# KiCad board latentpink.kicad_pcb (continued)
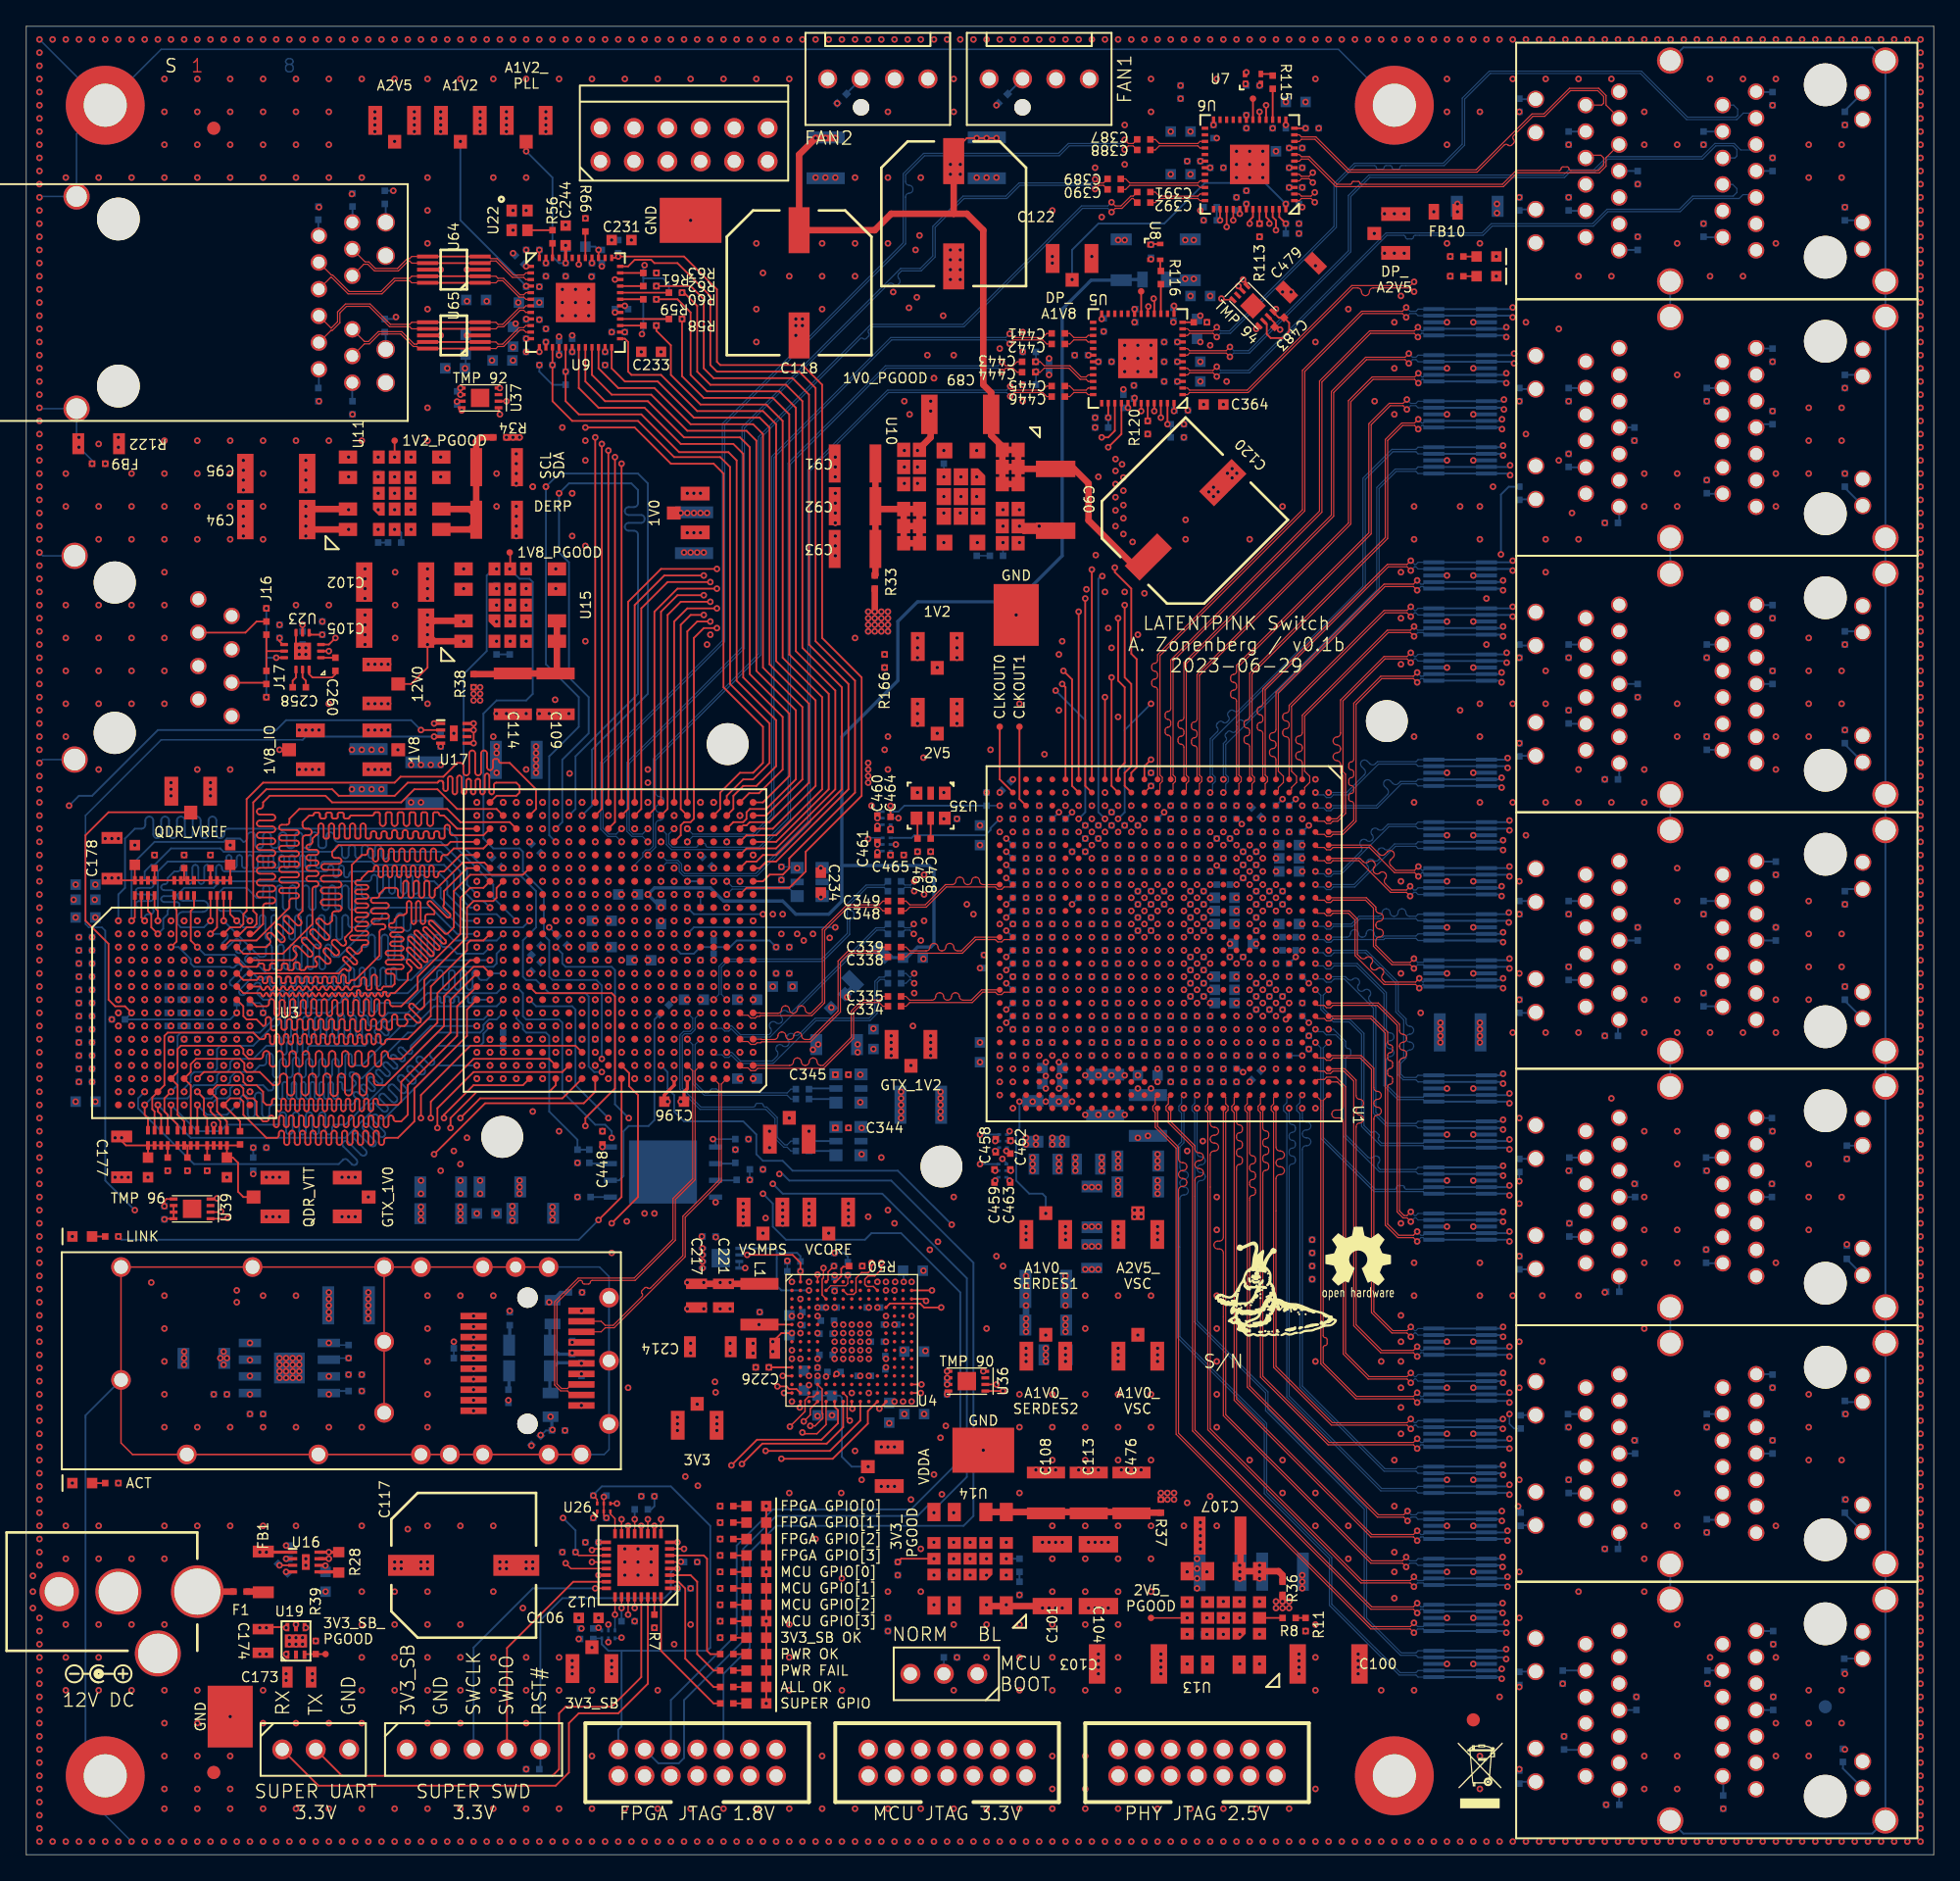
[diagram p0: board, top side]
## Placement (name value [footprint] x y rotation side) (continued)
C315  0.47 uF  [EIA_0402_CAP_NOSILK]  75.5 65.75 180 bottom
C316  0.47 uF  [EIA_0402_CAP_NOSILK]  78 78.25 90 bottom
C317  0.47 uF  [EIA_0402_CAP_NOSILK]  75 79.25 270 bottom
C318  0.47 uF  [EIA_0402_CAP_NOSILK]  84.5 70.75 270 bottom
C319  0.47 uF  [EIA_0402_CAP_NOSILK]  75.5 71.75 180 bottom
C320  0.47 uF  [EIA_0402_CAP_NOSILK]  75.5 64.75 180 bottom
C321  0.47 uF  [EIA_0402_CAP_NOSILK]  79 78.25 90 bottom
C322  0.47 uF  [EIA_0402_CAP_NOSILK]  74.5 81.25 45 bottom
C323  0.47 uF  [EIA_0402_CAP_NOSILK]  86.5 72.75 270 bottom
C324  0.47 uF  [EIA_0402_CAP_NOSILK]  81 78.25 180 bottom
C325  0.47 uF  [EIA_0402_CAP_NOSILK]  85.5 72.75 270 bottom
C326  0.47 uF  [EIA_0402_CAP_NOSILK]  75.5 72.75 180 bottom
C327  0.47 uF  [EIA_0402_CAP_NOSILK]  75.5 63.75 180 bottom
C328  0.47 uF  [EIA_0402_CAP_NOSILK]  81 77.25 180 bottom
C329  0.47 uF  [EIA_0402_CAP_NOSILK]  93.5 75.75 270 bottom
C330  0.47 uF  [EIA_0402_CAP_NOSILK]  82.5 78.75 90 bottom
C331  0.47 uF  [EIA_0402_CAP_NOSILK]  84.5 72.75 270 bottom
C332  0.47 uF  [EIA_0402_CAP_NOSILK]  86 78.25 90 bottom
C333  0.47 uF  [EIA_0402_CAP_NOSILK]  97.5 61.75 270 bottom
C334  0.1 uF  [EIA_0402_CAP_NOSILK]  66 64.5 0 top
C335  0.1 uF  [EIA_0402_CAP_NOSILK]  66 65.25 0 top
C336  0.1 uF  [EIA_0402_CAP_NOSILK]  66 66.25 0 bottom
C337  0.1 uF  [EIA_0402_CAP_NOSILK]  66 67 0 bottom
C338  0.1 uF  [EIA_0402_CAP_NOSILK]  66 68.25 0 top
C339  0.1 uF  [EIA_0402_CAP_NOSILK]  66 69 0 top
C340  0.1 uF  [EIA_0402_CAP_NOSILK]  59 53.5 180 bottom
C341  0.1 uF  [EIA_0402_CAP_NOSILK]  59 54.25 180 bottom
C342  0.1 uF  [EIA_0402_CAP_NOSILK]  59 57.45 180 bottom
C343  0.1 uF  [EIA_0402_CAP_NOSILK]  59 58.2 180 bottom
C344  0.47 uF  [EIA_0402_CAP_NOSILK]  62 55.25 0 top
C345  0.47 uF  [EIA_0402_CAP_NOSILK]  62 59.3 0 top
C346  0.1 uF  [EIA_0402_CAP_NOSILK]  66 70 0 bottom
C347  0.1 uF  [EIA_0402_CAP_NOSILK]  66 70.75 0 bottom
C348  0.1 uF  [EIA_0402_CAP_NOSILK]  66 71.75 0 top
C349  0.1 uF  [EIA_0402_CAP_NOSILK]  66 72.5 0 top
C350  0.1 uF  [EIA_0402_CAP_NOSILK]  66 74 0 bottom
C351  0.1 uF  [EIA_0402_CAP_NOSILK]  66 73.25 0 bottom
C352  1 uF  [EIA_0402_CAP_NOSILK]  89 79.25 90 bottom
C353  1 uF  [EIA_0402_CAP_NOSILK]  96 68.75 0 bottom
C354  1 uF  [EIA_0402_CAP_NOSILK]  89 59.25 270 bottom
C355  0.47 uF  [EIA_0402_CAP_NOSILK]  93.25 134.5 0 bottom
C356  0.47 uF  [EIA_0402_CAP_NOSILK]  85.5 121.9 270 bottom
C357  4.7 uF  [EIA_0603_CAP_NOSILK]  94.25 129.5 180 bottom
C358  4.7 uF  [EIA_0603_CAP_NOSILK]  87.75 131 180 bottom
C359  4.7 uF  [EIA_0603_CAP_NOSILK]  96.5 133.25 0 bottom
C360  4.7 uF  [EIA_0603_CAP_NOSILK]  87.75 127.75 180 bottom
C361  4.7 uF  [EIA_0603_CAP_NOSILK]  89 116 90 bottom
C362  4.7 uF  [EIA_0603_CAP_NOSILK]  89.25 112.75 270 bottom
C363  4.7 uF  [EIA_0603_CAP_NOSILK]  89.25 118.5 0 bottom
C364  4.7 uF  [EIA_0603_CAP_NOSILK]  90.25 110.25 0 top
C365  0.47 uF  [EIA_0402_CAP_NOSILK]  96.5 129.75 0 bottom
C366  0.47 uF  [EIA_0402_CAP_NOSILK]  90.25 131 270 bottom
C367  0.47 uF  [EIA_0402_CAP_NOSILK]  96.25 125.5 0 bottom
C368  0.47 uF  [EIA_0402_CAP_NOSILK]  92.75 131.75 270 bottom
C369  0.47 uF  [EIA_0402_CAP_NOSILK]  87 112 180 bottom
C370  0.47 uF  [EIA_0402_CAP_NOSILK]  87 113.5 180 bottom
C371  0.47 uF  [EIA_0402_CAP_NOSILK]  87.8 109.8 0 bottom
C372  0.47 uF  [EIA_0402_CAP_NOSILK]  80.2 114 180 bottom
C373  0.47 uF  [EIA_0402_CAP_NOSILK]  90.5 128.25 0 bottom
C374  0.47 uF  [EIA_0402_CAP_NOSILK]  95.25 131.25 180 bottom
C375  0.47 uF  [EIA_0402_CAP_NOSILK]  88.75 128.75 180 bottom
C376  0.47 uF  [EIA_0402_CAP_NOSILK]  84.2 111.2 90 bottom
C377  0.47 uF  [EIA_0402_CAP_NOSILK]  87.2 117.1 270 bottom
C378  0.47 uF  [EIA_0402_CAP_NOSILK]  83.4 110.5 90 bottom
C379  0.47 uF  [EIA_0402_CAP_NOSILK]  96.5 126.75 0 bottom
C380  0.47 uF  [EIA_0402_CAP_NOSILK]  87 115 180 bottom
C381  0.47 uF  [EIA_0402_CAP_NOSILK]  92.75 126 90 bottom
C382  0.47 uF  [EIA_0402_CAP_NOSILK]  92 125.5 90 bottom
C383  0.47 uF  [EIA_0402_CAP_NOSILK]  81.9 116.3 270 bottom
C384  0.47 uF  [EIA_0402_CAP_NOSILK]  84.3 117 270 bottom
C385  0.47 uF  [EIA_0402_CAP_NOSILK]  96.5 128.25 0 bottom
C386  0.47 uF  [EIA_0402_CAP_NOSILK]  82 113.5 0 bottom
C387  0.1 uF  [EIA_0402_CAP_NOSILK]  84.95 130.4 180 top
C388  0.1 uF  [EIA_0402_CAP_NOSILK]  84.95 129.6 180 top
C389  0.1 uF  [EIA_0402_CAP_NOSILK]  82.7 127.4 180 top
C390  0.1 uF  [EIA_0402_CAP_NOSILK]  82.7 126.6 180 top
C391  0.1 uF  [EIA_0402_CAP_NOSILK]  84.95 126.4 180 top
C392  0.1 uF  [EIA_0402_CAP_NOSILK]  84.95 125.6 180 top
C393  0.1 uF  [EIA_0402_CAP_NOSILK]  132.8 16.5 90 bottom
C394  0.1 uF  [EIA_0402_CAP_NOSILK]  127.8 13.5 90 bottom
C395  0.1 uF  [EIA_0402_CAP_NOSILK]  132.8 11.5 270 bottom
C396  0.1 uF  [EIA_0402_CAP_NOSILK]  129 4 90 bottom
C397  0.1 uF  [EIA_0402_CAP_NOSILK]  120.6 3.8 0 bottom
C398  0.1 uF  [EIA_0402_CAP_NOSILK]  116.9 8.5 270 bottom
C399  0.1 uF  [EIA_0402_CAP_NOSILK]  122.4 11.5 270 bottom
C400  0.1 uF  [EIA_0402_CAP_NOSILK]  116.8 13.5 90 bottom
C401  0.1 uF  [EIA_0402_CAP_NOSILK]  132.75 36 90 bottom
C402  0.1 uF  [EIA_0402_CAP_NOSILK]  127.75 33 90 bottom
C403  0.1 uF  [EIA_0402_CAP_NOSILK]  132.75 31 270 bottom
C404  0.1 uF  [EIA_0402_CAP_NOSILK]  127.75 25 90 bottom
C405  0.1 uF  [EIA_0402_CAP_NOSILK]  120.5 23.25 0 bottom
C406  0.1 uF  [EIA_0402_CAP_NOSILK]  117.25 28 270 bottom
C407  0.1 uF  [EIA_0402_CAP_NOSILK]  122.3 31 270 bottom
C408  0.1 uF  [EIA_0402_CAP_NOSILK]  117.2 33 90 bottom
C409  0.1 uF  [EIA_0402_CAP_NOSILK]  132.7 55.5 90 bottom
C410  0.1 uF  [EIA_0402_CAP_NOSILK]  127.7 52.5 90 bottom
C411  0.1 uF  [EIA_0402_CAP_NOSILK]  132.7 50.5 270 bottom
C412  0.1 uF  [EIA_0402_CAP_NOSILK]  127.7 45.5 270 bottom
C413  0.1 uF  [EIA_0402_CAP_NOSILK]  120.6 42.8 0 bottom
C414  0.1 uF  [EIA_0402_CAP_NOSILK]  117.3 47.5 270 bottom
C415  0.1 uF  [EIA_0402_CAP_NOSILK]  122.3 50.5 270 bottom
C416  0.1 uF  [EIA_0402_CAP_NOSILK]  117.3 52.5 90 bottom
C417  0.1 uF  [EIA_0402_CAP_NOSILK]  133 75 90 bottom
C418  0.1 uF  [EIA_0402_CAP_NOSILK]  127.5 72 90 bottom
C419  0.1 uF  [EIA_0402_CAP_NOSILK]  133 70 270 bottom
C420  0.1 uF  [EIA_0402_CAP_NOSILK]  127.5 65 270 bottom
C421  0.1 uF  [EIA_0402_CAP_NOSILK]  120.5 62.25 0 bottom
C422  0.1 uF  [EIA_0402_CAP_NOSILK]  117.25 67 270 bottom
C423  0.1 uF  [EIA_0402_CAP_NOSILK]  122.5 70 270 bottom
C424  0.1 uF  [EIA_0402_CAP_NOSILK]  117.25 72 90 bottom
C425  0.1 uF  [EIA_0402_CAP_NOSILK]  132.75 94.5 90 bottom
C426  0.1 uF  [EIA_0402_CAP_NOSILK]  127.75 91.5 90 bottom
C427  0.1 uF  [EIA_0402_CAP_NOSILK]  132.75 89.5 270 bottom
C428  0.1 uF  [EIA_0402_CAP_NOSILK]  127.75 84.5 270 bottom
C429  0.1 uF  [EIA_0402_CAP_NOSILK]  120.5 81.75 0 bottom
C430  0.1 uF  [EIA_0402_CAP_NOSILK]  117.25 86.5 270 bottom
C431  0.1 uF  [EIA_0402_CAP_NOSILK]  122.5 88.5 90 bottom
C432  0.1 uF  [EIA_0402_CAP_NOSILK]  117.25 91.5 90 bottom
C433  0.1 uF  [EIA_0402_CAP_NOSILK]  132.75 114 90 bottom
C434  0.1 uF  [EIA_0402_CAP_NOSILK]  127.75 111 90 bottom
C435  0.1 uF  [EIA_0402_CAP_NOSILK]  132.75 109.25 270 bottom
C436  0.1 uF  [EIA_0402_CAP_NOSILK]  127.75 104 270 bottom
C437  0.1 uF  [EIA_0402_CAP_NOSILK]  120.5 101.25 0 bottom
C438  0.1 uF  [EIA_0402_CAP_NOSILK]  117.25 106 270 bottom
C439  0.1 uF  [EIA_0402_CAP_NOSILK]  122.25 108 90 bottom
C440  0.1 uF  [EIA_0402_CAP_NOSILK]  117.25 111 90 bottom
C441  0.1 uF  [EIA_0402_CAP_NOSILK]  78.45 115.65 180 top
C442  0.1 uF  [EIA_0402_CAP_NOSILK]  78.45 114.85 180 top
C443  0.1 uF  [EIA_0402_CAP_NOSILK]  76.2 113.5 180 top
C444  0.1 uF  [EIA_0402_CAP_NOSILK]  76.2 112.7 180 top
C445  0.1 uF  [EIA_0402_CAP_NOSILK]  78.45 111.65 180 top
C446  0.1 uF  [EIA_0402_CAP_NOSILK]  78.45 110.85 180 top
C447  0.47 uF  [EIA_0402_CAP_NOSILK]  42.6 17.2 180 bottom
C448  0.47 uF  [EIA_0402_CAP_NOSILK]  43.8 54.5 90 top
C449  0.47 uF  [EIA_0402_CAP_NOSILK]  38.75 67.5 225 bottom
C450  0.1 uF  [EIA_0402_CAP_NOSILK]  122.5 122.5 90 bottom
C451  0.1 uF  [EIA_0402_CAP_NOSILK]  117.25 125.5 90 bottom
C452  0.1 uF  [EIA_0402_CAP_NOSILK]  122.5 127.5 270 bottom
C453  0.1 uF  [EIA_0402_CAP_NOSILK]  117.25 130.5 270 bottom
C454  0.1 uF  [EIA_0402_CAP_NOSILK]  132.75 133.5 270 bottom
C455  0.1 uF  [EIA_0402_CAP_NOSILK]  127.5 130.5 270 bottom
C456  0.1 uF  [EIA_0402_CAP_NOSILK]  132.75 128.5 90 bottom
C457  0.1 uF  [EIA_0402_CAP_NOSILK]  127.5 123.5 90 bottom
C458  0.47 uF  [EIA_0402_CAP_NOSILK]  73.7 53.9 90 top
C459  0.47 uF  [EIA_0402_CAP_NOSILK]  73.6 51.6 90 top
C460  0.47 uF  [EIA_0402_CAP_NOSILK]  64.7 78.5 90 top
C461  0.47 uF  [EIA_0402_CAP_NOSILK]  64.7 76.5 90 top
C462  0.47 uF  [EIA_0402_CAP_NOSILK]  74.8 53.8 90 top
C463  0.47 uF  [EIA_0402_CAP_NOSILK]  74.8 51.6 90 top
C464  0.47 uF  [EIA_0402_CAP_NOSILK]  65.7 78.4 90 top
C465  0.47 uF  [EIA_0402_CAP_NOSILK]  66.2 76 0 top
C466  0.47 uF  [EIA_0402_CAP_NOSILK]  70.25 78.75 0 bottom
C467  0.1 uF  [EIA_0402_CAP_NOSILK]  67.75 76.75 270 top
C468  0.1 uF  [EIA_0402_CAP_NOSILK]  68.75 76.75 270 top
C469  0.1 uF  [EIA_0402_CAP_NOSILK]  40.45 32.25 0 bottom
C470  0.1 uF  [EIA_0402_CAP_NOSILK]  41.75 42.75 0 bottom
C471  22 uF  [EIA_1206_CAP_NOSILK]  38.25 36.8 180 bottom
C472  22 uF  [EIA_1206_CAP_NOSILK]  38.25 38.75 180 bottom
C473  0.1 uF  [EIA_0402_CAP_NOSILK]  42.2 36.9 270 bottom
C474  0.1 uF  [EIA_0402_CAP_NOSILK]  41.5 38.55 90 bottom
C475  DNP  [EIA_1210_CAP_NOSILK]  95.5 21.5 0 bottom
C476  DNP  [EIA_1210_CAP_NOSILK]  84 27.5 90 top
C477  22 uF  [EIA_1206_CAP_NOSILK]  110.3 125.3 0 bottom
C478  22 uF  [EIA_1206_CAP_NOSILK]  83.25 121.25 90 bottom
C479  22 uF  [EIA_1206_CAP_NOSILK]  96.9 119.9 45 top
C480  22 uF  [EIA_1206_CAP_NOSILK]  88.5 121.25 90 bottom
C481  0.47 uF  [EIA_0402_CAP_NOSILK]  70 35.5 90 bottom
C482  0.47 uF  [EIA_0402_CAP_NOSILK]  32.75 110.75 90 bottom
C483  0.47 uF  [EIA_0402_CAP_NOSILK]  95.25 116.5 225 top
C484  0.47 uF  [EIA_0402_CAP_NOSILK]  10.5 48.8 90 bottom
C485  0.47 uF  [EIA_0402_CAP_NOSILK]  43.6 27.3 0 bottom
C486  0.47 uF  [EIA_0402_CAP_NOSILK]  42.6 16.4 180 bottom
C487  0.47 uF  [EIA_0402_CAP_NOSILK]  36.75 73 180 bottom
D1  GREEN  [EIA_0603_LED]  55.5 12.75 180 top
D2  GREEN  [EIA_0603_LED]  55.5 16.5 180 top
D3  GREEN  [EIA_0603_LED]  55.5 15.25 180 top
D4  RED  [EIA_0603_LED]  55.5 14 180 top
D5  GREEN  [EIA_0603_LED]  55.5 11.5 180 top
D6  GREEN  [EIA_0603_LED]  111 121.5 180 top
D7  GREEN  [EIA_0603_LED]  111 120 180 top
D8  GREEN  [EIA_0603_LED]  55.5 21.5 180 top
D9  GREEN  [EIA_0603_LED]  55.5 20.25 180 top
D10  GREEN  [EIA_0603_LED]  55.5 19 180 top
D11  GREEN  [EIA_0603_LED]  55.5 17.75 180 top
D12  GREEN  [EIA_0603_LED]  55.5 26.5 180 top
D13  GREEN  [EIA_0603_LED]  55.5 25.25 180 top
D14  GREEN  [EIA_0603_LED]  55.5 24 180 top
D15  GREEN  [EIA_0603_LED]  55.5 22.75 180 top
D16  GREEN  [EIA_0603_LED]  4.25 47 0 top
D17  GREEN  [EIA_0603_LED]  4.25 28.25 0 top
F1  ERB-RD4R00X  [EIA_0402_CAP_NOSILK]  16.25 20 0 top
FB1  BLM31KN271SN1L  [EIA_1206_CAP_NOSILK]  18 21.5 90 top
FB2  BLM31KN271SH1L  [EIA_1206_CAP_NOSILK]  38.5 48.75 0 bottom
FB3  BLM31KN271SH1L  [EIA_1206_CAP_NOSILK]  61.6 61.6 180 bottom
FB4  BLM31KN271SH1L  [EIA_1206_CAP_NOSILK]  63.9 67.5 225 bottom
FB5  FERRITE_SMALL2  [EIA_0603_INDUCTOR_NOSILK]  60.15 34.15 90 bottom
FB6  MI0603J601R-10  [EIA_0603_INDUCTOR_NOSILK]  33.4 114.8 90 bottom
FB7  MI0603J601R-10  [EIA_0603_INDUCTOR_NOSILK]  37 115.4 90 bottom
FB8  MI0603J601R-10  [EIA_0603_INDUCTOR_NOSILK]  41.75 122.25 180 bottom
FB9  MMZ1005S102CT000  [EIA_0402_CAP_NOSILK]  5.5 105.75 180 top
FB10  CIS21J121NE  [EIA_0805_INDUCTOR_NOSILK]  107.9 124.9 0 top
FB11  CIS21J121NE  [EIA_0805_INDUCTOR_NOSILK]  85.75 119.75 180 bottom
FID1  FIDUCIAL  [FIDUCIAL_1MM]  136.76 11.25 180 bottom
FID2  FIDUCIAL  [FIDUCIAL_1MM]  14.25 131.25 0 top
FID3  FIDUCIAL  [FIDUCIAL_1MM]  14.25 6.25 0 top
FID4  FIDUCIAL  [FIDUCIAL_1MM]  14.25 6.25 180 bottom
FID5  FIDUCIAL  [FIDUCIAL_1MM]  14.25 131.25 180 bottom
FID6  FIDUCIAL  [FIDUCIAL_1MM]  110 10.25 0 top
J1  CONN_SFP_HOST  [CONN_SFP+_AMPHENOL_UE76_A10_2000T]  37.2 37.55 0 top
J2  SFP_CAGE  [CONN_SFP_CAGE_TE_2007194-1]  37.2 37.55 0 top
J3  XILINX_JTAG  [XILINX_JTAG_PTH_MOLEX_0878311420]  89 7 0 top
J4  BEL_FUSE_0845-2R1T-E4  [CONN_RJ45_BELFUSE_0845-2R1T-E4]  136.76 11 90 top
J5  0826-1G1T-23-F  [CONN_BELFUSE_0826_1G1T_23_F]  7 118 90 top
J6  BARREL_JACK  [CONN_CUI_PJ-058BH_HIPWR_BARREL_NOSLOT]  6.5 20 0 top
J7  RJ45  [CONN_RJ45_BELSTEWART_SS-7188S-A-PG4-1-BA-xx]  6.72 96.72 270 top
J8  BEL_FUSE_0845-2R1T-E4  [CONN_RJ45_BELFUSE_0845-2R1T-E4]  136.76 30.5 90 top
J9  XILINX_JTAG  [XILINX_JTAG_PTH_MOLEX_0878311420]  51 7 0 top
J10  XILINX_JTAG  [XILINX_JTAG_PTH_MOLEX_0878311420]  70 7 0 top
J11  FAN_01  [CONN_MOLEX_KK_0470531000]  77 135 0 top
J12  FAN_01  [CONN_MOLEX_KK_0470531000]  64.73 135 0 top
J13  CONN_01X05  [CONN_HEADER_2.54MM_1x5]  34 8 0 top
J14  CONN_01X03  [CONN_HEADER_2.54MM_1x3]  22 8 0 top
J15  CONN_01X03  [CONN_HEADER_2.54MM_1x3]  69.75 13.75 180 top
J16  JUMPER_0402_SPDT  [EIA_0402_JUMPER]  18.25 93.75 90 top
J17  JUMPER_0402_SPDT  [EIA_0402_JUMPER]  18.25 89 90 top
J18  BEL_FUSE_0845-2R1T-E4  [CONN_RJ45_BELFUSE_0845-2R1T-E4]  136.76 50 90 top
J19  BEL_FUSE_0845-2R1T-E4  [CONN_RJ45_BELFUSE_0845-2R1T-E4]  136.76 69.5 90 top
J20  BEL_FUSE_0845-2R1T-E4  [CONN_RJ45_BELFUSE_0845-2R1T-E4]  136.76 89 90 top
J21  BEL_FUSE_0845-2R1T-E4  [CONN_RJ45_BELFUSE_0845-2R1T-E4]  136.76 108.5 90 top
J22  BEL_FUSE_0845-2R1T-E4  [CONN_RJ45_BELFUSE_0845-2R1T-E4]  136.76 128 90 top
J23  PMOD_HOST  [CONN_HEADER_2.54MM_2x6_RA_PMOD_HOST]  50 130 180 top
L1  2.2 uH  [EIA_1210_CAP_NOSILK]  55.75 41.85 270 top
L2  HI1206N101R-10  [EIA_1206_CAP_NOSILK]  76.5 55.75 270 bottom
L3  HI1206N101R-10  [EIA_1206_CAP_NOSILK]  81 49.25 270 bottom
L4  HI1206N101R-10  [EIA_1206_CAP_NOSILK]  84.5 52.75 180 bottom
L5  HI1206N101R-10  [EIA_1206_CAP_NOSILK]  77.5 40.25 0 bottom
L6  4.7 uH  [EIA_0805_INDUCTOR_NOSILK]  39.85 34.2 270 bottom
L7  4.7 uH  [EIA_0805_INDUCTOR_NOSILK]  40 41.25 90 bottom
M1  960-27-12-D-AB-0  [HEATSINK_WAKEFIELDVETTE_960-27-12-D-AB-0]  86.5 69.25 0 top
M2  960-23-23-F-AB-0  [HEATSINK_WAKEFIELDVETTE_960-23-23-F-AB-0]  44.75 69.5 0 top
M3  SCREWHOLE  [MECHANICAL_CLEARANCEHOLE_4_40]  104 6 0 top
M4  SCREWHOLE  [MECHANICAL_CLEARANCEHOLE_4_40]  6 133 0 top
M5  SCREWHOLE  [MECHANICAL_CLEARANCEHOLE_4_40]  104 133 0 top
M6  SCREWHOLE  [MECHANICAL_CLEARANCEHOLE_4_40]  6 6 0 top
M7  LONGTHING  [LONGTHING-1200DPI]  95.55 42.62 0 top
M8  OSHW  [Logo_silk_OSHW_6x6mm]  101.25 45.5 0 top
M9  POLARITY  [Logo_silk_polarity_center_5x1.4mm]  5.5 13.75 0 top
M10  WEEE  [Logo_silk_WEEE_3.4x5mm]  110.5 6 0 top
R1  16K  [EIA_0402_RES_NOSILK]  72.25 99.25 270 bottom
R2  0  [EIA_0402_RES_NOSILK]  73.75 98.75 180 bottom
R3  10K  [EIA_0402_RES_NOSILK]  74.25 133.5 225 bottom
R4  10K  [EIA_0402_RES_NOSILK]  62 133.5 225 bottom
R5  10K  [EIA_0402_RES_NOSILK]  28 99.75 180 bottom
R6  0  [EIA_0402_RES_NOSILK]  26.75 100.25 270 bottom
R7  10K  [EIA_0402_RES_NOSILK]  47.75 17.75 270 top
R8  3k  [EIA_0402_RES_NOSILK]  96 18 0 top
R9  2.2k  [EIA_0402_RES_NOSILK]  75.5 22 270 bottom
R10  4.7k  [EIA_0402_RES_NOSILK]  36.75 91.75 270 bottom
R11  160  [EIA_0402_RES_NOSILK]  97.25 17.5 90 top
R12  22  [EIA_0402_RES_NOSILK]  75.5 20.25 90 bottom
R13  300  [EIA_0402_RES_NOSILK]  35.75 91.75 270 bottom
R14  DNP  [EIA_0402_RES_NOSILK]  47.25 27.25 0 bottom
R15  1K  [EIA_0402_RES_NOSILK]  69.75 106.25 270 bottom
R16  10K  [EIA_0402_RES_NOSILK]  46.75 26.25 0 bottom
R17  1K  [EIA_0402_RES_NOSILK]  26.75 105.5 270 bottom
R18  10K  [EIA_0402_RES_NOSILK]  41.25 23 180 bottom
R19  1K  [EIA_0402_RES_NOSILK]  35.75 97 270 bottom
R20  10K  [EIA_0402_RES_NOSILK]  65.5 17.5 270 bottom
R21  1K  [EIA_0402_RES_NOSILK]  89 16.75 0 bottom
R22  10K  [EIA_0402_RES_NOSILK]  66.25 21.75 270 bottom
R23  1K  [EIA_0402_RES_NOSILK]  69.75 21.25 0 bottom
R24  470  [EIA_0402_RES_NOSILK]  53.25 12.75 0 top
R25  470  [EIA_0402_RES_NOSILK]  53.25 16.5 0 top
R26  470  [EIA_0402_RES_NOSILK]  53.25 15.25 0 top
R27  470  [EIA_0402_RES_NOSILK]  53.25 14 0 top
R28  470 1/4W  [EIA_0603_RES_NOSILK]  23.75 22.22 90 top
R29  1K  [EIA_0402_RES_NOSILK]  20 23 90 bottom
R30  33  [EIA_0402_RES_NOSILK]  57.5 67 0 bottom
R31  1K  [EIA_0402_RES_NOSILK]  45.75 17.75 0 bottom
R32  1K  [EIA_0402_RES_NOSILK]  24.5 38.25 90 bottom
R33  0  [EIA_0402_RES_NOSILK]  64.5 96.75 90 top
R34  0  [EIA_0402_RES_NOSILK]  36 107.75 180 top
R35  0  [EIA_0402_RES_NOSILK]  40.75 69.5 315 bottom
R36  0  [EIA_0402_RES_NOSILK]  95.5 20.25 90 top
R37  0  [EIA_0402_RES_NOSILK]  86.25 26.5 270 top
R38  0  [EIA_0402_RES_NOSILK]  34 89.25 90 top
R39  10K  [EIA_0402_RES_NOSILK]  22 15.75 90 top
R40  330  [EIA_0402_RES_NOSILK]  50.75 72 180 bottom
R41  4.7K  [EIA_0402_RES_NOSILK]  72.8 67.9 90 bottom
R42  4.7K  [EIA_0402_RES_NOSILK]  57.5 69 180 bottom
R43  33  [EIA_0402_RES_NOSILK]  48.5 64.25 45 bottom
R44  0  [EIA_0402_RES_NOSILK]  49.25 66.5 270 bottom
R45  0  [EIA_0402_RES_NOSILK]  50.75 66 180 bottom
R46  0  [EIA_0402_RES_NOSILK]  51.25 67.5 270 bottom
R47  249  [EIA_0402_RES_NOSILK]  17.5 64 180 bottom
R48  10K  [EIA_0402_RES_NOSILK]  70.25 15 180 bottom
R49  4.7K  [EIA_0402_RES_NOSILK]  62.45 44.55 90 bottom
R50  33  [EIA_0402_RES_NOSILK]  63.05 44.75 180 top
R51  4.7K  [EIA_0402_RES_NOSILK]  58.35 44.35 180 bottom
R52  4.7K  [EIA_0402_RES_NOSILK]  58.35 45.1 180 bottom
R53  470  [EIA_0402_RES_NOSILK]  53.25 11.5 0 top
R54  470  [EIA_0402_RES_NOSILK]  27.25 116.25 270 bottom
R55  470  [EIA_0402_RES_NOSILK]  27.25 126 270 bottom
R56  33  [EIA_0402_RES_NOSILK]  40 123 90 top
R57  1K  [EIA_0402_RES_NOSILK]  39.5 113.25 0 bottom
R58  33  [EIA_0402_RES_NOSILK]  47.4 116.25 180 top
R59  33  [EIA_0402_RES_NOSILK]  49.35 116.75 180 top
R60  33  [EIA_0402_RES_NOSILK]  47.4 118.25 180 top
R61  33  [EIA_0402_RES_NOSILK]  49.35 118.75 180 top
R62  33  [EIA_0402_RES_NOSILK]  47.4 119.25 180 top
R63  33  [EIA_0402_RES_NOSILK]  47.4 120.25 180 top
R64  12.1K 1%  [EIA_0402_RES_NOSILK]  38.5 122 0 bottom
R65  1K  [EIA_0402_RES_NOSILK]  41 112.25 90 bottom
R66  10K  [EIA_0402_RES_NOSILK]  42.5 123.9 270 top
R67  10K  [EIA_0402_RES_NOSILK]  47.4 116.25 0 bottom
R68  10K  [EIA_0402_RES_NOSILK]  49.35 116.75 0 bottom
R69  10K  [EIA_0402_RES_NOSILK]  47.4 118.25 0 bottom
R70  10K  [EIA_0402_RES_NOSILK]  49.35 118.75 0 bottom
R71  10K  [EIA_0402_RES_NOSILK]  47.4 119.25 0 bottom
R72  10K  [EIA_0402_RES_NOSILK]  47.4 120.25 0 bottom
R73  1K  [EIA_0402_RES_NOSILK]  45 122.25 270 bottom
R74  49.9  [EIA_0402_RES_NOSILK]  52.25 69 270 bottom
R75  49.9  [EIA_0402_RES_NOSILK]  51.75 75.5 135 bottom
R76  0  [EIA_0402_RES_NOSILK]  38.75 68.75 225 bottom
R77  10K  [EIA_0402_RES_NOSILK]  61.45 43.4 270 bottom
R78  4.7K  [EIA_0402_RES_NOSILK]  33 38.5 180 bottom
R79  4.7K  [EIA_0402_RES_NOSILK]  33 37.75 180 bottom
R80  100  [EIA_0402_RES_NOSILK]  54.75 66 0 bottom
R81  470  [EIA_0402_RES_NOSILK]  113.5 5.9 90 bottom
R82  470  [EIA_0402_RES_NOSILK]  138.1 7.55 90 bottom
R83  470  [EIA_0402_RES_NOSILK]  113.6 25.5 90 bottom
R84  470  [EIA_0402_RES_NOSILK]  138.25 26.5 90 bottom
R85  470  [EIA_0402_RES_NOSILK]  113.5 45 90 bottom
R86  470  [EIA_0402_RES_NOSILK]  138.4 45.8 90 bottom
R87  470  [EIA_0402_RES_NOSILK]  113.5 64.5 90 bottom
R88  470  [EIA_0402_RES_NOSILK]  138.25 65.5 90 bottom
R89  470  [EIA_0402_RES_NOSILK]  113.5 84 90 bottom
R90  470  [EIA_0402_RES_NOSILK]  138.25 85 90 bottom
R91  470  [EIA_0402_RES_NOSILK]  113.5 103.5 90 bottom
R92  470  [EIA_0402_RES_NOSILK]  138.25 104.5 90 bottom
R93  470  [EIA_0402_RES_NOSILK]  113.5 13.4 270 bottom
R94  470  [EIA_0402_RES_NOSILK]  138.2 14.4 270 bottom
R95  470  [EIA_0402_RES_NOSILK]  113.6 32.9 270 bottom
R96  470  [EIA_0402_RES_NOSILK]  138.25 34 270 bottom
R97  470  [EIA_0402_RES_NOSILK]  113.5 52.4 270 bottom
R98  470  [EIA_0402_RES_NOSILK]  138.4 53.4 270 bottom
R99  470  [EIA_0402_RES_NOSILK]  113.5 72 270 bottom
R100  470  [EIA_0402_RES_NOSILK]  138.25 72.75 270 bottom
R101  470  [EIA_0402_RES_NOSILK]  113.5 91.5 270 bottom
R102  470  [EIA_0402_RES_NOSILK]  138.25 92.5 270 bottom
R103  470  [EIA_0402_RES_NOSILK]  113.5 111 270 bottom
R104  470  [EIA_0402_RES_NOSILK]  138.25 112 270 bottom
R105  620 1%  [EIA_0402_RES_NOSILK]  74.5 60.75 180 bottom
R106  1K  [EIA_0402_RES_NOSILK]  97.75 44.25 90 bottom
R107  1K  [EIA_0402_RES_NOSILK]  97.75 46.25 90 bottom
R108  1K  [EIA_0402_RES_NOSILK]  95.5 61.75 0 bottom
R109  2K 1%  [EIA_0402_RES_NOSILK]  90 79.25 270 bottom
R110  2K 1%  [EIA_0402_RES_NOSILK]  96 69.75 180 bottom
R111  2K 1%  [EIA_0402_RES_NOSILK]  90 59.25 90 bottom
R112  49.9  [EIA_0402_RES_NOSILK]  16.25 54.5 270 top
R113  2.2K  [EIA_0402_RES_NOSILK]  93.75 123.5 90 top
R114  11K 1%  [EIA_0402_RES_NOSILK]  97.75 131.25 180 bottom
R115  33  [EIA_0402_RES_NOSILK]  94.75 134.75 270 top
R116  33  [EIA_0402_RES_NOSILK]  86.25 119.9 270 top
R117  100  [EIA_0402_RES_NOSILK]  51.25 73.5 90 bottom
R118  100  [EIA_0402_RES_NOSILK]  42.25 73.5 90 bottom
R119  1.5K  [EIA_0402_RES_NOSILK]  87.75 134 270 bottom
R120  2.2K  [EIA_0402_RES_NOSILK]  85.25 108.5 90 top
R121  11K 1%  [EIA_0402_RES_NOSILK]  89.25 116.5 180 top
R122  DNP  [EIA_1206_CAP_NOSILK]  5.5 107.25 180 top
R123  33  [EIA_0402_RES_NOSILK]  53.9 53.1 270 bottom
R124  33  [EIA_0402_RES_NOSILK]  54.5 51.3 180 bottom
R125  33  [EIA_0402_RES_NOSILK]  42.8 53.1 90 bottom
R126  33  [EIA_0402_RES_NOSILK]  42.4 50 180 bottom
R127  4.7K  [EIA_0402_RES_NOSILK]  41.9 53.1 270 bottom
R128  4.7K  [EIA_0402_RES_NOSILK]  55.5 52.1 0 bottom
R129  4.7K  [EIA_0402_RES_NOSILK]  54.4 54.4 0 bottom
R130  DNP  [EIA_0402_RES_NOSILK]  96 61.25 90 bottom
R132  4.7K  [EIA_0402_RES_NOSILK]  73 80.25 90 bottom
R133  4.7K  [EIA_0402_RES_NOSILK]  85.5 81.75 90 bottom
R134  0.1  [EIA_0402_RES_NOSILK]  38.75 31.5 225 bottom
R135  0.5  [EIA_0402_RES_NOSILK]  36.65 34.85 90 bottom
R136  0.5  [EIA_0402_RES_NOSILK]  36.75 40.75 270 bottom
R137  5.76K  [EIA_0402_RES_NOSILK]  90 125.25 180 bottom
R138  2.49K  [EIA_0402_RES_NOSILK]  90 124.25 180 bottom
R139  10K  [EIA_0402_RES_NOSILK]  96.25 124 0 bottom
R140  2.49K  [EIA_0402_RES_NOSILK]  96.25 123.25 0 bottom
R141  5.76K  [EIA_0402_RES_NOSILK]  81.75 108.5 180 bottom
R142  2.49K  [EIA_0402_RES_NOSILK]  81.75 109.25 180 bottom
R143  10K  [EIA_0402_RES_NOSILK]  87.5 107.75 0 bottom
R144  2.49K  [EIA_0402_RES_NOSILK]  87.5 108.75 0 bottom
R145  10K  [EIA_0402_RES_NOSILK]  76.25 114.25 180 bottom
R146  2.49K  [EIA_0402_RES_NOSILK]  77.25 113.5 0 bottom
R147  10K  [EIA_0402_RES_NOSILK]  76.25 111.75 180 bottom
R148  2.49K  [EIA_0402_RES_NOSILK]  77.25 112.75 0 bottom
R149  470  [EIA_0402_RES_NOSILK]  138.25 124.75 270 bottom
R150  470  [EIA_0402_RES_NOSILK]  138.25 132 90 bottom
R151  470  [EIA_0402_RES_NOSILK]  113.5 125.5 270 bottom
R152  470  [EIA_0402_RES_NOSILK]  113.5 133 90 bottom
R153  470  [EIA_0402_RES_NOSILK]  108.75 121.5 0 top
R154  470  [EIA_0402_RES_NOSILK]  108.75 120 0 top
R155  4.7K  [EIA_0402_RES_NOSILK]  61.4 45.25 90 bottom
R156  470  [EIA_0402_RES_NOSILK]  53.25 21.5 0 top
R157  470  [EIA_0402_RES_NOSILK]  53.25 20.25 0 top
R158  470  [EIA_0402_RES_NOSILK]  53.25 19 0 top
R159  470  [EIA_0402_RES_NOSILK]  53.25 17.75 0 top
R160  470  [EIA_0402_RES_NOSILK]  53.25 26.5 0 top
R161  470  [EIA_0402_RES_NOSILK]  53.25 25.25 0 top
R162  470  [EIA_0402_RES_NOSILK]  53.25 24 0 top
R163  470  [EIA_0402_RES_NOSILK]  53.25 22.75 0 top
R164  470  [EIA_0402_RES_NOSILK]  6.5 47 180 top
R165  470  [EIA_0402_RES_NOSILK]  6.5 28.25 180 top
R166  0  [EIA_0402_RES_NOSILK]  65.25 90.75 90 top
R167  1K  [EIA_0402_RES_NOSILK]  17.25 52.5 270 bottom
R168  DNP  [EIA_0402_RES_NOSILK]  17.75 53.75 0 bottom
RN1  YC124-FR-0749R9L  [YAGEO_YC124-FR]  14.75 73.5 180 top
RN2  YC124-FR-0749R9L  [YAGEO_YC124-FR]  9 73.5 180 top
RN3  YC124-FR-0749R9L  [YAGEO_YC124-FR]  12.25 54.5 0 top
RN4  YC124-FR-0749R9L  [YAGEO_YC124-FR]  14.5 54.5 0 top
RN5  YC124-FR-0749R9L  [YAGEO_YC124-FR]  10 54.5 0 top
RN6  YC124-FR-0749R9L  [YAGEO_YC124-FR]  12 73.5 180 top
TP1  TESTPOINT  [TESTPOINT_SMT_0.5MM]  28 107.5 0 top
TP2  TESTPOINT  [TESTPOINT_SMT_0.5MM]  69 112.25 0 top
TP3  TESTPOINT  [TESTPOINT_SMT_0.5MM]  85.5 18 0 top
TP4  TESTPOINT  [TESTPOINT_SMT_0.5MM]  66.25 22.25 0 top
TP5  TESTPOINT  [TESTPOINT_SMT_0.5MM]  36.75 99 0 top
TP6  U.FL  [CONN_U.FL_TE_1909763-1]  26.75 89 90 top
TP7  U.FL  [CONN_U.FL_TE_1909763-1]  51 32.75 180 top
TP8  U.FL  [CONN_U.FL_TE_1909763-1]  69.25 86.75 0 top
TP9  U.FL  [CONN_U.FL_TE_1909763-1]  26.75 84 90 top
TP10  U.FL  [CONN_U.FL_TE_1909763-1]  21.5 84 270 top
TP11  U.FL  [CONN_U.FL_TE_1909763-1]  69.25 91.75 0 top
TP12  U.FL  [CONN_U.FL_TE_1909763-1]  50.75 102 270 top
TP13  U.FL  [CONN_U.FL_TE_1909763-1]  18.8 50 270 top
TP14  U.FL  [CONN_U.FL_TE_1909763-1]  12.5 80.75 0 top
TP15  U.FL  [CONN_U.FL_TE_1909763-1]  43 14.25 180 top
TP16  TESTPOINT  [TESTPOINT_SMT_0.5MM]  22.75 15.25 0 top
TP17  U.FL  [CONN_U.FL_TE_1909763-1]  61 48.75 0 top
TP18  U.FL  [CONN_U.FL_TE_1909763-1]  56 48.75 0 top
TP19  TESTPOINT  [TESTPOINT_SMT_0.5MM]  75.5 85.75 0 top
TP20  TESTPOINT  [TESTPOINT_SMT_0.5MM]  74 85.75 0 top
TP21  TESTPOINT  [TESTPOINT_SMT_0.5MM]  93.25 133.5 0 top
TP22  TESTPOINT  [TESTPOINT_SMT_0.5MM]  84.75 118.85 0 top
TP23  U.FL  [CONN_U.FL_TE_1909763-1]  58 54.5 180 top
TP24  U.FL  [CONN_U.FL_TE_1909763-1]  24.5 50 90 top
TP25  U.FL  [CONN_U.FL_TE_1909763-1]  67.25 61.5 0 top
TP26  U.FL  [CONN_U.FL_TE_1909763-1]  104 123.25 270 top
TP27  U.FL  [CONN_U.FL_TE_1909763-1]  79.5 121.25 0 top
TP28  U.FL  [CONN_U.FL_TE_1909763-1]  65.5 29.5 270 top
TP29  U.FL  [CONN_U.FL_TE_1909763-1]  38 131.75 0 top
TP30  U.FL  [CONN_U.FL_TE_1909763-1]  33 131.75 0 top
TP31  U.FL  [CONN_U.FL_TE_1909763-1]  28 131.75 0 top
TP32  GROUNDCLIP  [TESTPOINT_SMT_KEYSTONE_5016]  72.75 30.75 0 top
TP33  GROUNDCLIP  [TESTPOINT_SMT_KEYSTONE_5016]  50.5 124.25 0 top
TP34  GROUNDCLIP  [TESTPOINT_SMT_KEYSTONE_5016]  75.25 94.25 90 top
TP35  GROUNDCLIP  [TESTPOINT_SMT_KEYSTONE_5016]  15.5 10.5 90 top
TP36  U.FL  [CONN_U.FL_TE_1909763-1]  77.5 47.25 180 top
TP37  U.FL  [CONN_U.FL_TE_1909763-1]  84.5 38 180 top
TP38  U.FL  [CONN_U.FL_TE_1909763-1]  84.5 47.25 180 top
TP39  U.FL  [CONN_U.FL_TE_1909763-1]  77.5 38 180 top
TP40  TESTPOINT  [TESTPOINT_SMT_0.5MM]  39.5 104 0 top
TP41  TESTPOINT  [TESTPOINT_SMT_0.5MM]  40.5 103.5 0 top
TP42  TESTPOINT  [TESTPOINT_SMT_0.5MM]  38.5 104 0 top
TP43  TESTPOINT  [TESTPOINT_SMT_0.5MM]  41.5 103.5 0 top
U1  VSC8512  [BGA_672_27x27_DEPOPCORNER_1MM]  86.5 69.25 270 top
U2  XC7K160T-2FBG484C  [BGA_484_22x22_FULLARRAY_1MM]  44.75 69.5 180 top
U3  CY7C2245KV18-450BZXI  [BGA_165_11x15_FULLARRAY_1MM]  12 64 0 top
U4  STM32H735-UFBGA176-25  [BGA_201_10x10_DEPOP_0.65MM_OSHPARK]  62.75 39 0 top
U5  DP83867  [QFN_48_0.5MM_7x7MM]  84.5 113.75 180 top
U6  DP83867  [QFN_48_0.5MM_7x7MM]  93 128.5 180 top
U7  ECS-1612MV-250-CN-TR  [OSCILLATOR_1.6x1.2]  93.25 135 0 top
U8  ECS-1612MV-250-CN-TR  [OSCILLATOR_1.6x1.2]  85.83 121.85 270 top
U9  KSZ9031RN  [QFN_48_0.5MM_7x7MM]  41.75 118 0 top
U10  MYMGK1R812ERSR  [MODULE_MURATA_MYMGK1R812]  71.05 103.25 270 top
U11  MYMGK00504ERSR  [MODULE_MURATA_MYMGK00504ERSR]  28 103.5 90 top
U12  STM32L031-QFN32  [QFN_32_0.5MM_5x5MM]  46.5 22 180 top
U13  MYMGK00504ERSR  [MODULE_MURATA_MYMGK00504ERSR]  91 18 180 top
U14  MYMGK00504ERSR  [MODULE_MURATA_MYMGK00504ERSR]  71.75 22.5 180 top
U15  MYMGK00504ERSR  [MODULE_MURATA_MYMGK00504ERSR]  36.79 95 90 top
U16  NCP45521IMNTWG-H  [DFN_8_0.5MM_2x2MM]  21.25 22.25 0 top
U17  NCP45521IMNTWG-H  [DFN_8_0.5MM_2x2MM]  32.5 85.25 0 top
U18  LP2996AMRE  [SOIC_8_3.9MM_EPAD]  20 37 270 bottom
U19  TPS7A2533DRVR  [DFN_6_0.65MM_2x2MM]  20.5 16.25 0 top
U20  AT24MAC402  [DFN_8_0.5MM_2x3MM_TALL]  52.8 45.35 90 bottom
U21  ECX2-LMV-3CN-125.000-TR  [OSCILLATOR_LVDS_3.2x2.5]  59.55 73.95 270 bottom
U22  ECS-2016MVQ-250-CN  [OSCILLATOR_2.0x1.6]  37.5 124.25 90 top
U23  ADM3101E_QFN  [QFN_12_0.5MM_3x3MM]  21 91.5 180 top
U24  SIT9121AI-2BF-XXS200.000000G  [OSCILLATOR_LVDS_3.2x2.5]  62.5 54.25 270 bottom
U25  SIT9121AI-2BF-XXS156.250000G  [OSCILLATOR_LVDS_3.2x2.5]  62.5 58.25 270 bottom
U26  74LVC1T45  [DFN_6_0.5MM_1.45x1.00MM]  43.9 26.4 0 top
U27  74LVC1T45  [DFN_6_0.5MM_1.45x1.00MM]  44.25 16.75 0 bottom
U28  IS25WP256D-JLLE  [DFN_8_1.27MM_8x6MM]  48.4 51.9 180 bottom
U31  74LVC1T45  [DFN_6_0.5MM_1.45x1.00MM]  74.2 52 90 bottom
U32  74LVC1T45  [DFN_6_0.5MM_1.45x1.00MM]  74.25 54.25 90 bottom
U33  74LVC1T45  [DFN_6_0.5MM_1.45x1.00MM]  65.4 76.8 90 bottom
U34  74LVC1T45  [DFN_6_0.5MM_1.45x1.00MM]  65.4 78.8 90 bottom
U35  SIT9121AC-2B2-33E125.000000  [OSCILLATOR_LVDS_3.2x2.5]  68.75 79.75 180 top
U36  AT30TS74_UDFN  [DFN_8_0.5MM_2x3MM_TALL]  71.5 36 90 top
U37  AT30TS74_UDFN  [DFN_8_0.5MM_2x3MM_TALL]  34.5 110.75 90 top
U38  AT30TS74_UDFN  [DFN_8_0.5MM_2x3MM_TALL]  93.25 117.75 225 top
U39  AT30TS74_UDFN  [DFN_8_0.5MM_2x3MM_TALL]  12.6 49.1 90 top
U40  RCLAMP0514M  [SOP_10_0.5MM_3MM]  109 116.5 90 bottom
U41  RCLAMP0514M  [SOP_10_0.5MM_3MM]  109 58.25 90 bottom
U42  RCLAMP0514M  [SOP_10_0.5MM_3MM]  109 54.75 90 bottom
U43  RCLAMP0514M  [SOP_10_0.5MM_3MM]  109 113 90 bottom
U44  RCLAMP0514M  [SOP_10_0.5MM_3MM]  109 47.75 90 bottom
U45  RCLAMP0514M  [SOP_10_0.5MM_3MM]  109 51.25 90 bottom
U46  RCLAMP0514M  [SOP_10_0.5MM_3MM]  109 106 90 bottom
U47  RCLAMP0514M  [SOP_10_0.5MM_3MM]  109 109.5 90 bottom
U48  RCLAMP0514M  [SOP_10_0.5MM_3MM]  109 25 90 bottom
U49  RCLAMP0514M  [SOP_10_0.5MM_3MM]  109 21.5 90 bottom
U50  RCLAMP0514M  [SOP_10_0.5MM_3MM]  109 74 90 bottom
U51  RCLAMP0514M  [SOP_10_0.5MM_3MM]  109 77.5 90 bottom
U52  RCLAMP0514M  [SOP_10_0.5MM_3MM]  109 14.5 90 bottom
U53  RCLAMP0514M  [SOP_10_0.5MM_3MM]  109 18 90 bottom
U54  RCLAMP0514M  [SOP_10_0.5MM_3MM]  109 67 90 bottom
U55  RCLAMP0514M  [SOP_10_0.5MM_3MM]  109 70.5 90 bottom
U56  RCLAMP0514M  [SOP_10_0.5MM_3MM]  109 39 90 bottom
U57  RCLAMP0514M  [SOP_10_0.5MM_3MM]  109 35.5 90 bottom
U58  RCLAMP0514M  [SOP_10_0.5MM_3MM]  109 97.25 90 bottom
U59  RCLAMP0514M  [SOP_10_0.5MM_3MM]  109 93.75 90 bottom
U60  RCLAMP0514M  [SOP_10_0.5MM_3MM]  109 28.5 90 bottom
U61  RCLAMP0514M  [SOP_10_0.5MM_3MM]  109 32 90 bottom
U62  RCLAMP0514M  [SOP_10_0.5MM_3MM]  109 82.25 90 bottom
U63  RCLAMP0514M  [SOP_10_0.5MM_3MM]  109 90.25 90 bottom
U64  RCLAMP0514M  [SOP_10_0.5MM_3MM]  32.5 120.5 90 top
U65  RCLAMP0514M  [SOP_10_0.5MM_3MM]  32.5 115.5 90 top

## Footprints (pads in the part's own frame, mm; a bottom-side part is the same pattern mirrored in y, then rotated)
BGA_165_11x15_FULLARRAY_1MM
  round 0.53 smd: A1(-5,7) A2(-4,7) A3(-3,7) A4(-2,7) A5(-1,7) A6(0,7) A7(1,7) A8(2,7) A9(3,7) A10(4,7) A11(5,7) B1(-5,6) B2(-4,6) B3(-3,6) B4(-2,6) B5(-1,6) B6(0,6) B7(1,6) B8(2,6) B9(3,6) B10(4,6) B11(5,6) C1(-5,5) C2(-4,5) C3(-3,5) C4(-2,5) C5(-1,5) C6(0,5) C7(1,5) C8(2,5) C9(3,5) C10(4,5) C11(5,5) D1(-5,4) D2(-4,4) D3(-3,4) D4(-2,4) D5(-1,4) D6(0,4) D7(1,4) D8(2,4) D9(3,4) D10(4,4) D11(5,4) E1(-5,3) E2(-4,3) E3(-3,3) E4(-2,3) E5(-1,3) E6(0,3) E7(1,3) E8(2,3) E9(3,3) E10(4,3) E11(5,3) F1(-5,2) F2(-4,2) F3(-3,2) F4(-2,2) F5(-1,2) F6(0,2) F7(1,2) F8(2,2) F9(3,2) F10(4,2) F11(5,2) G1(-5,1) G2(-4,1) G3(-3,1) G4(-2,1) G5(-1,1) G6(0,1) G7(1,1) G8(2,1) G9(3,1) G10(4,1) G11(5,1) H1(-5,0) H2(-4,0) H3(-3,0) H4(-2,0) H5(-1,0) H6(0,0) H7(1,0) H8(2,0) H9(3,0) H10(4,0) H11(5,0) J1(-5,-1) J2(-4,-1) J3(-3,-1) J4(-2,-1) J5(-1,-1) J6(0,-1) J7(1,-1) J8(2,-1) J9(3,-1) J10(4,-1) J11(5,-1) K1(-5,-2) K2(-4,-2) K3(-3,-2) K4(-2,-2) K5(-1,-2) K6(0,-2) K7(1,-2) K8(2,-2) K9(3,-2) K10(4,-2) K11(5,-2) L1(-5,-3) L2(-4,-3) L3(-3,-3) L4(-2,-3) L5(-1,-3) L6(0,-3) L7(1,-3) L8(2,-3) L9(3,-3) L10(4,-3) L11(5,-3) M1(-5,-4) M2(-4,-4) M3(-3,-4) M4(-2,-4) M5(-1,-4) M6(0,-4) M7(1,-4) M8(2,-4) M9(3,-4) M10(4,-4) M11(5,-4) N1(-5,-5) N2(-4,-5) N3(-3,-5) N4(-2,-5) N5(-1,-5) N6(0,-5) N7(1,-5) N8(2,-5) N9(3,-5) N10(4,-5) N11(5,-5) P1(-5,-6) P2(-4,-6) P3(-3,-6) P4(-2,-6) P5(-1,-6) P6(0,-6) P7(1,-6) P8(2,-6) P9(3,-6) P10(4,-6) P11(5,-6) R1(-5,-7) R2(-4,-7) R3(-3,-7) R4(-2,-7) R5(-1,-7) R6(0,-7) R7(1,-7) R8(2,-7) R9(3,-7) R10(4,-7) R11(5,-7)
